# KiCad board LED_Matrix_Phone_Case.kicad_pcb (continued)
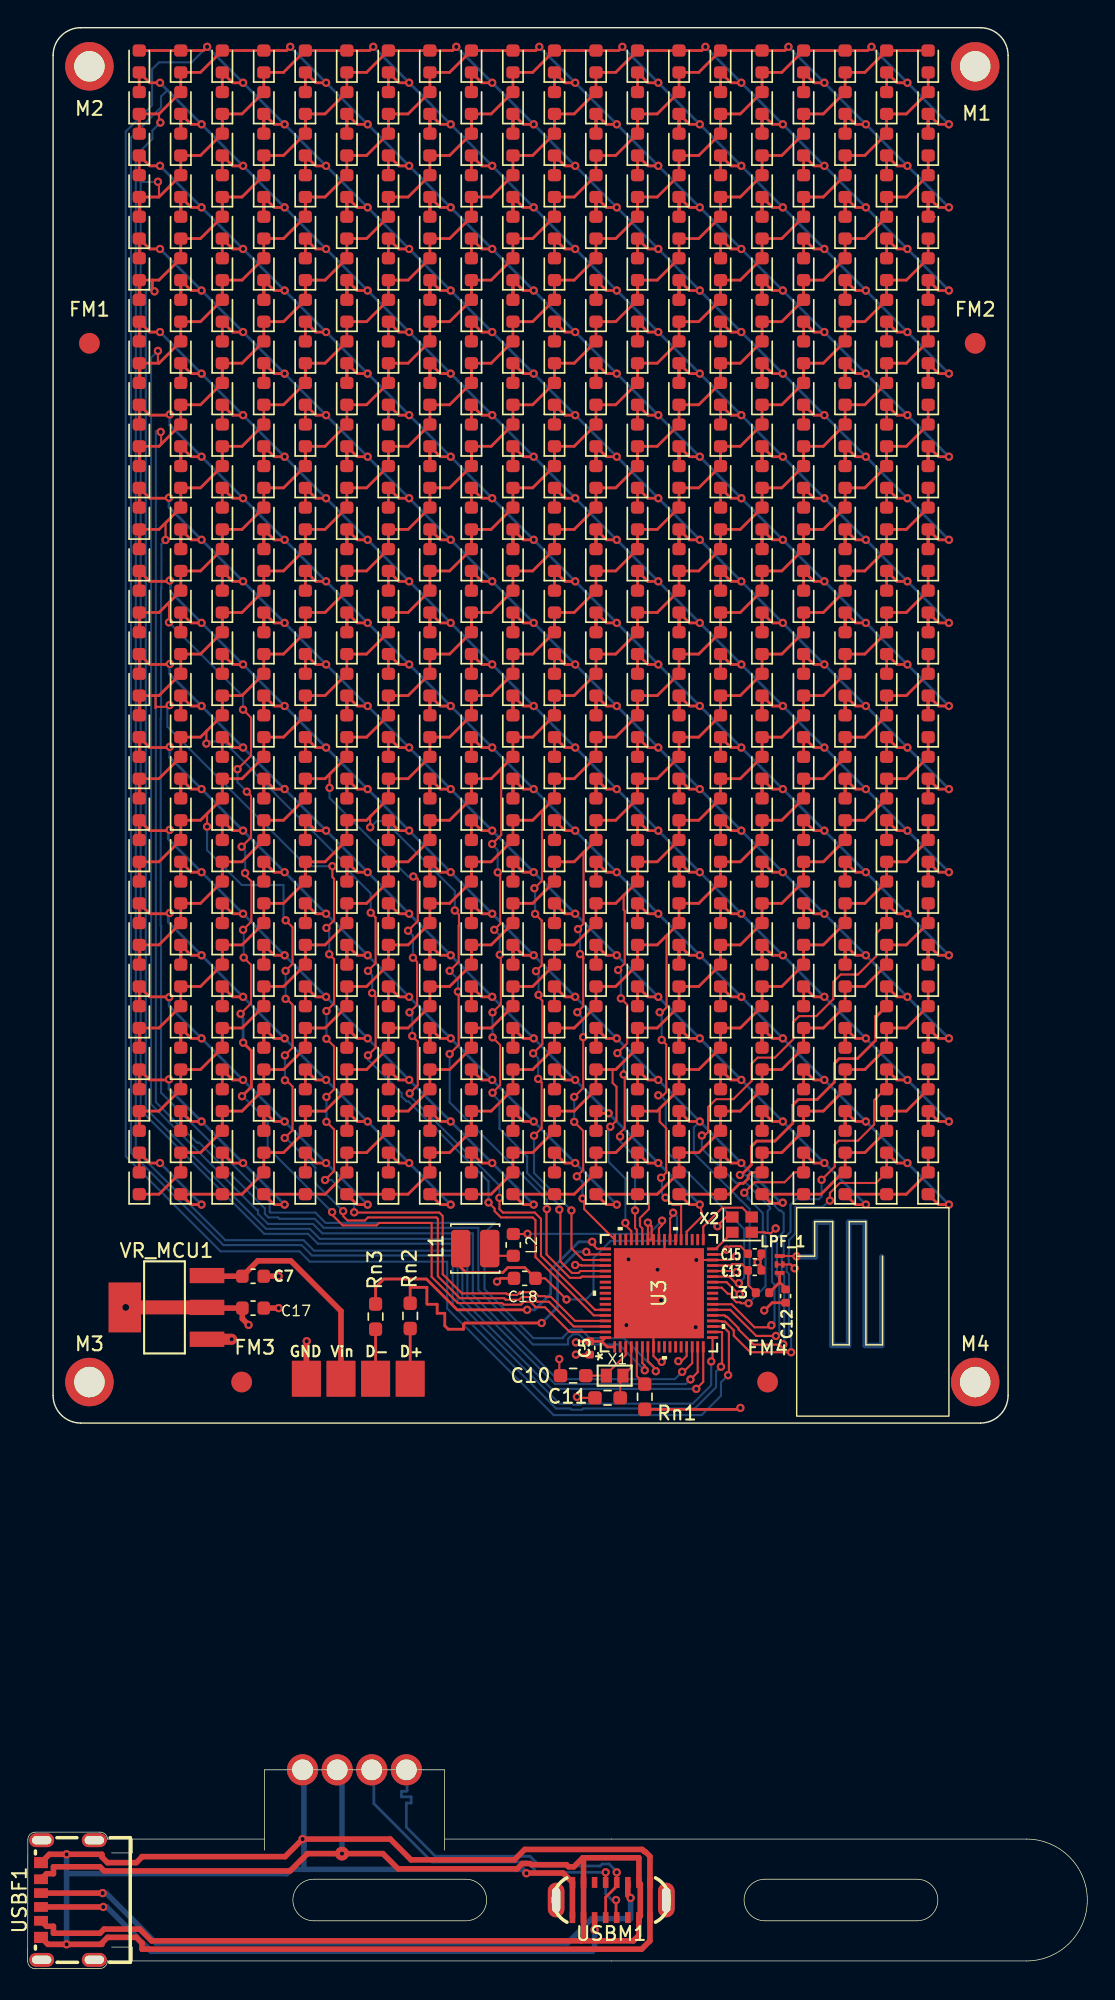
[diagram p0: board, top side]
## Nets (continued)
LED_24: REF**241.2 REF**242.1 REF**243.1 REF**284.2 REF**285.2 REF**286.1 REF**287.1 REF**328.2 REF**329.2 REF**330.1 REF**331.1 REF**372.2 REF**373.2 REF**374.1 REF**375.1 REF**416.2 REF**417.2 REF**418.1 REF**419.1 REF**460.2 REF**461.2 REF**462.1 REF**463.1 REF**504.2 REF**505.2 REF**506.1 REF**507.1 REF**517.1 REF**518.2 REF**520.1 REF**548.2 REF**549.2 REF**550.1 REF**551.1 REF**553.1 REF**554.2 REF**556.1 REF**#3.2 U3.28
LED_25: REF**317.1 REF**318.2 REF**320.1 REF**353.1 REF**354.2 REF**356.1 REF**359.2 REF**389.1 REF**390.2 REF**392.1 REF**395.2 REF**425.1 REF**426.2 REF**428.1 REF**431.2 REF**441.2 REF**442.1 REF**443.1 REF**461.1 REF**462.2 REF**464.1 REF**467.2 REF**484.2 REF**485.2 REF**486.1 REF**487.1 REF**497.1 REF**498.2 REF**500.1 REF**503.2 REF**528.2 REF**529.2 REF**530.1 REF**531.1 REF**533.1 REF**534.2 REF**536.1 REF**539.2 U3.29
LED_26: REF**321.2 REF**322.1 REF**323.1 REF**364.2 REF**365.2 REF**366.1 REF**367.1 REF**408.2 REF**409.2 REF**410.1 REF**411.1 REF**437.1 REF**438.2 REF**440.1 REF**452.2 REF**453.2 REF**454.1 REF**455.1 REF**473.1 REF**474.2 REF**476.1 REF**479.2 REF**496.2 REF**497.2 REF**498.1 REF**499.1 REF**509.1 REF**510.2 REF**512.1 REF**515.2 REF**540.2 REF**541.2 REF**542.1 REF**543.1 REF**545.1 REF**546.2 REF**548.1 REF**551.2 U3.46
LED_27: REF**277.1 REF**278.2 REF**280.1 REF**313.1 REF**314.2 REF**316.1 REF**319.2 REF**349.1 REF**350.2 REF**352.1 REF**355.2 REF**385.1 REF**386.2 REF**388.1 REF**391.2 REF**421.1 REF**422.2 REF**424.1 REF**427.2 REF**457.1 REF**458.2 REF**460.1 REF**463.2 REF**481.2 REF**482.1 REF**483.1 REF**493.1 REF**494.2 REF**496.1 REF**499.2 REF**524.2 REF**525.2 REF**526.1 REF**527.1 REF**529.1 REF**530.2 REF**532.1 REF**535.2 U3.47
LED_28: REF**357.1 REF**358.2 REF**360.1 REF**393.1 REF**394.2 REF**396.1 REF**399.2 REF**401.2 REF**402.1 REF**403.1 REF**429.1 REF**430.2 REF**432.1 REF**435.2 REF**444.2 REF**445.2 REF**446.1 REF**447.1 REF**465.1 REF**466.2 REF**468.1 REF**471.2 REF**488.2 REF**489.2 REF**490.1 REF**491.1 REF**501.1 REF**502.2 REF**504.1 REF**507.2 REF**532.2 REF**533.2 REF**534.1 REF**535.1 REF**537.1 REF**538.2 REF**540.1 REF**543.2 U3.48
SERIAL_D+: REF**.4 Rn2.1 Rn2.2 U3.53 USBM1.4 USBM1.12
SERIAL_D-: REF**.3 Rn3.1 Rn3.2 U3.52 USBM1.5 USBM1.13

Pads without a net: U3 2 9 10 11 12 13 25 26 36 37 40 49 50 58 59 60 61 62; USBF1 7; USBM1 6 14 17 18

## Via types
v1: diameter 0.6, hole 0.3, Top to Bottom, 451 vias
v2: diameter 1, hole 0.5, Top to Bottom, 1 via
v3: diameter 1, hole 0.3, Top to Bottom, 1 via

## Routing (per net, layer and track width the routed paths; a pad name or vN(x,y) marks a point on that pad's centre or on a via; arc(x,y) is an arc through that point)
/3.3V_PHONE: length 31.7
  Top w0.15: U3.55 40.01,50.77 39.97,50.81 v1(39.56,50.81) ; v1(47.01,43.87) 47.24,43.87 47.61,44.24 U3.14 ; v1(44.81,53.87) U3.45 U3.44 45.08,52.77 45.08,53.62 45.06,53.62 v1(44.81,53.87) ; v1(44.81,53.87) 44.86,53.92 ; U3.33 50.14,51.57 v1(50.5,51.93) 50.73,52.16 51.51,52.16 C15.2 ; v1(51.19,50.3) 50.94,50.3 50.86,50.37 U3.30
  Top w0.2: 41.47,45.3 41.87,44.9 42.41,44.9 ; 41.47,45.3 C5.1 39.69,45.3 v1(39.61,45.22) ; 41.47,45.3 41.74,45.57 ; 51.46,40.36 51.44,40.39 Rn1.1
  Top w0.4: v1(15.96,46.49) 15.51,46.94 C17.1 13.01,47.7 VR_MCU1.2
  Top w1: VR_MCU1.4 v2(7.09,47.75) VR_MCU1.2
  vias: v1(51.49,40.49)
GND: length 187.1
  Top w0.15: 45.96,43.82 45.63,43.82 45.21,44.24 U3.8 45.21,48.37 U3.69 ; v1(39.69,41.29) 39.76,41.22 C11.2 ; U3.69 46.01,49.17 U3.42 ; U3.69 48.01,51.17 U3.32 50.71,51.17 51.01,51.47 51.17,51.47 v1(51.19,51.45) ; v1(55.41,50.57) 55.14,50.85 LPF_1.4 LPF_1.2 ; C5.2 v1(39.61,44.34) 39.53,44.34 ; X2.2 53.26,53.17 53.31,53.12 53.71,53.12 v1(54.05,53.45) ; v1(38.41,44.02) 38.41,42.91 C10.2 ; 49.81,53.62 50.46,54.27 X2.4
  Top w0.2: C13.2 53.01,50.74 v1(52.74,51.01) 53.01,51.29 C15.1 ; C12.2 53.79,48.09 53.21,47.51 ; 20.16,42.62 20.14,42.6 ; C18.2 34.15,49.85 v1(33.91,49.61)
  Top w0.4: C7.2 v1(18.14,50) ; v1(20.16,45.31) 20.14,45.29 20.14,42.6 ; USBM1.1 USBM1.16 38.68,6.91 36.05,6.91 v1(36.03,6.89) ; USBF1.A12 1.56,8.26 5.36,8.26 5.36,8.07 5.77,7.66 7.85,7.66 8.26,8.07 8.26,8.09 18.6,8.09 19.87,9.36 26.2,9.36 27.7,7.86 35.16,7.86 35.91,8.61 44.41,8.61 44.56,8.46 44.61,8.46 44.96,8.11 USBM1.9 USBM1.8 44.96,2.01 44.36,1.41 8.26,1.41 8.26,1.85 7.85,2.26 5.77,2.26 5.36,1.85 5.36,1.76 v1(2.81,1.76) 1.46,1.76 USBF1.B12 ; 20.14,45.24 20.16,45.26 ; C17.2 v1(18.14,47.7)
  Top w0.8: VR_MCU1.1 v1(14.74,45.45)
  Bottom w0.4: 19.96,8.86 19.96,9.26 v1(19.86,9.36) ; 19.96,8.86 19.96,7.18 ; 19.96,8.86 19.96,13.66 19.86,13.66 ; 2.81,6.86 v1(2.81,8.26) ; 2.81,6.86 v1(2.81,1.76) ; 2.81,6.86 18.71,6.86 19.03,7.18 19.96,7.18 ; v1(36.03,6.89) 35.75,7.18 19.96,7.18
  vias: v1(43.26,46.47) v1(43.41,51.22) v1(45.51,50.47) v1(45.76,48.27) v1(45.81,43.82) v1(48.31,51.17) v1(48.26,46.32) v1(49.84,53.61) v1(53.22,47.53)
/ANTENNA: length 42.9
  Top w0.15: v1(55.55,51.43) 55.53,51.46 LPF_1.3
  Bottom w0.4: 55.61,51.4 56.91,51.4 56.91,53.9 58.11,53.9 58.11,45 59.31,45 59.31,53.9 60.51,53.9 60.51,45 61.71,45 61.71,51.4
/CC1: length 43.7
  Top w0.4: USBM1.3 40.96,2.82 v1(40.95,2.81) ; USBF1.A5 v1(5.46,4.46)
  Bottom w0.4: 40.96,2.86 40.96,1.41 40.81,1.26 8.91,1.26 5.71,4.46 v1(5.46,4.46)
/CC2: length 47.5
  Top w0.4: USBM1.11 43.36,5.31 v1(43.56,5.11) ; USBF1.B5 v1(5.41,5.46)
  Bottom w0.4: v1(5.41,5.46) 5.66,5.46 9.26,1.86 39.01,1.86 40.76,3.61 43.56,3.61 v1(43.56,5.11)
/HSE_IN: length 5.3
  Top w0.15: U3.35 48.81,53.58 50.19,54.95 51.64,54.95 X2.3
/HSE_OUT: length 1.9
  Top w0.15: U3.34 49.71,51.97 X2.1
/LSE_IN: length 4.1
  Top w0.15: C10.1 X1.2 41.81,42.92 43.21,44.32 U3.3
/LSE_OUT: length 4
  Top w0.15: U3.4 43.61,43.42 X1.1 42.81,42.62 C11.1
/Matching_Network: length 2.4
  Top w0.2: L3.2 54.33,49.56 ; 54.33,49.56 LPF_1.1 ; 54.33,49.56 54.76,49.13 C12.1
/RF1: length 4.6
  Top w0.15: U3.31 50.8,50.77 50.89,50.87 51.6,50.87 C13.1 52.05,49.37 L3.1
/SMPSFB: length 26.6
  Top w0.15: v1(46.64,54.59) 46.64,54.41 46.41,54.18 U3.41 ; 30.81,51.02 30.81,52 ; 36.69,49.85 37.39,49.85 38.09,49.15 38.11,49.15 v1(38.93,48.32)
  Top w0.2: 36.69,49.85 35.91,50.62 34.69,50.62 34.32,50.26 31.67,50.26 31.29,50.65 L1.2
  Bottom w0.15: v1(46.64,54.59) 46.91,54.31 46.91,52.55 42.09,52.55 42.09,52.52 40.89,51.32 40.89,48.87 40.33,48.32 v1(38.93,48.32)
/SMPSLX: length 12.8
  Top w0.15: U3.43 45.61,53.46 45.84,53.69 v1(45.84,54.01) ; L2.1 36.1,53.05 v1(36.11,53.06)
  Bottom w0.15: 45.61,54.01 v1(45.84,54.01) 44.89,53.06 v1(36.11,53.06)
/SMPSLXL: length 1.9
  Top w0.15: L1.1 33.91,51.47 L2.2
/USB_BOOT0: length 2.9
  Top w0.15: Rn1.2 44.01,42.79 U3.5
/USB_M_IN_5V: length 124
  Top w0.4: 40.11,8.01 39.46,7.36 39.08,7.36 38.93,7.51 36.41,7.51 36.32,7.59 35.74,7.59 35.36,7.21 26.76,7.21 25.66,8.31 v3(22.71,8.31) 20.21,8.31 18.96,7.06 5.52,7.06 5.22,7.36 1.86,7.36 1.86,6.86 1.36,6.86 USBF1.A9 ; 40.11,8.01 44.16,8.01 USBM1.10 44.26,6.13 44.26,3.79 USBM1.7 44.16,2.41 43.76,2.01 40.01,2.01 ; 40.11,8.01 40.16,7.96 USBM1.15 USBM1.2 40.16,2.16 40.01,2.01 ; USBF1.B9 1.36,3.06 1.86,3.06 1.86,2.56 5.22,2.56 5.52,2.86 8.1,2.86 8.95,2.01 40.01,2.01 ; VR_MCU1.3 13.01,50 C7.1 16.62,51.11 19.01,51.11 22.64,47.49 22.64,42.6
  Bottom w0.4: v3(22.71,8.31) 22.71,13.66 22.36,13.66
LED_0: length 247.5
  Top w0.15: U3.15 48.01,43.72 47.39,43.1 ; 9.49,115.92 9.41,116 v1(9.41,116.81)
  Top w0.2: REF**127.2 12.49,118.92 REF**124.1 REF**122.2 9.49,115.92 REF**121.1 REF**163.2 8.06,115.96 ; REF**127.2 14.06,121.96 ; REF**127.2 REF**85.1 15.49,121.92 REF**86.2 REF**88.1 18.49,124.92 REF**91.2 ; v1(42.56,133.17) 41.81,133.17 REF**22.1 REF**64.2 ; REF**91.2 20.06,127.96 ; REF**91.2 REF**49.1 21.49,127.92 REF**50.2 REF**52.1 24.49,130.92 REF**55.2 ; v1(36.97,138.77) 36.7,138.5 REF**20.2 REF**19.2 30.49,136.92 REF**16.1 REF**14.2 27.49,133.92 REF**13.1 REF**55.2 ; REF**109.2 REF**111.1 50.81,124.17 v1(51.56,124.17) ; REF**153.2 REF**155.1 56.81,118.17 v1(57.56,118.17) ; REF**108.2 47.06,127.96 REF**108.2 ; REF**108.2 REF**66.1 47.81,127.17 v1(48.56,127.17) ; REF**197.2 REF**199.1 62.81,112.17 v1(63.56,112.17) ; v1(54.56,121.17) 53.81,121.17 REF**110.1 REF**152.2 ; REF**152.2 53.06,121.96 REF**152.2 ; REF**21.2 REF**23.1 38.81,136.17 v1(39.56,136.17) ; REF**64.2 41.06,133.96 REF**64.2 ; REF**196.2 REF**154.1 59.81,115.17 v1(60.56,115.17) ; REF**196.2 59.06,115.96 REF**196.2 ; v1(66.56,109.17) 65.81,109.17 REF**198.1 REF**240.2 ; REF**240.2 65.06,109.96 REF**240.2 ; REF**55.2 26.06,133.96 ; REF**65.2 REF**67.1 44.81,130.17 v1(45.56,130.17)
  Bottom w0.15: v1(9.41,116.81) 8.91,116.31 8.91,90.31 8.91,90.31 8.91,62.42 16.54,54.8 16.64,54.8 16.64,54.51 17.37,53.78 20.61,53.78 21.29,53.1 32.16,53.1 32.16,48.66 38.25,42.57 46.76,42.57 v1(47.29,43.1)
  Bottom w0.2: v1(36.97,138.77) v1(39.56,136.17) v1(42.56,133.17) v1(45.56,130.17) v1(48.56,127.17) v1(51.56,124.17) v1(54.56,121.17) v1(57.56,118.17) v1(60.56,115.17) v1(63.56,112.17) v1(66.56,109.17)
LED_1: length 260
  Top w0.15: v1(47.89,42.55) 48.41,43.07 U3.16
  Top w0.2: REF**60.2 35.06,133.96 REF**60.2 ; REF**60.2 REF**18.1 35.81,133.17 v1(36.56,133.17) ; REF**51.2 REF**9.1 21.49,133.92 REF**10.2 REF**12.1 24.49,136.92 REF**15.2 REF**16.2 30.7,138.5 v1(30.97,138.77) ; REF**51.2 18.49,130.92 REF**48.1 REF**46.2 15.49,127.92 REF**45.1 REF**87.2 ; REF**51.2 20.06,133.96 ; v1(54.56,115.17) 53.81,115.17 REF**150.1 REF**192.2 ; REF**192.2 53.06,115.96 REF**192.2 ; v1(33.56,136.17) 32.81,136.17 REF**19.1 REF**17.2 ; REF**148.2 47.06,121.96 REF**148.2 ; REF**148.2 REF**106.1 47.81,121.17 v1(48.56,121.17) ; REF**236.2 59.06,109.96 REF**236.2 ; REF**236.2 REF**194.1 59.81,109.17 v1(60.56,109.17) ; v1(9.16,121.11) 9.01,121.26 9.01,121.92 ; v1(66.56,103.17) 65.81,103.17 REF**238.1 REF**280.2 ; REF**237.2 REF**239.1 62.81,106.17 v1(63.56,106.17) ; REF**61.2 REF**63.1 38.81,130.17 v1(39.56,130.17) ; REF**280.2 65.06,103.96 REF**280.2 ; REF**280.2 65.07,102.51 ; REF**193.2 REF**195.1 56.81,112.17 v1(57.56,112.17) ; 9.01,121.92 9.49,121.92 REF**82.2 REF**84.1 12.49,124.92 REF**87.2 ; 9.01,121.92 REF**81.1 REF**123.2 8.06,121.96 ; REF**104.2 41.06,127.96 REF**104.2 ; REF**104.2 REF**62.1 41.81,127.17 v1(42.56,127.17) ; REF**105.2 REF**107.1 44.81,124.17 v1(45.56,124.17) ; v1(51.56,118.17) 50.81,118.17 REF**151.1 REF**149.2 ; REF**87.2 14.06,127.96
  Bottom w0.15: 8.54,121.21 8.54,62.11 17.22,53.42 20.39,53.42 21.11,52.7 31.76,52.7 31.76,48.56 38.1,42.22 47.55,42.22 v1(47.89,42.55)
  Bottom w0.2: v1(66.56,103.17) v1(63.56,106.17) v1(60.56,109.17) v1(57.56,112.17) v1(54.56,115.17) v1(51.56,118.17) v1(48.56,121.17) v1(45.56,124.17) v1(42.56,127.17) v1(39.56,130.17) v1(36.56,133.17) v1(33.56,136.17) v1(30.97,138.77) ; v1(9.16,121.11) 9.06,121.21 8.54,121.21
LED_2: length 276.4
  Top w0.15: 9.49,127.92 9.49,128.95 v1(9.41,129.02) ; U3.17 48.81,42.37 v1(48.31,41.87)
  Top w0.2: v1(45.56,118.17) 44.81,118.17 REF**147.1 REF**145.2 ; REF**100.2 35.06,127.96 REF**100.2 ; REF**100.2 REF**58.1 35.81,127.17 v1(36.56,127.17) ; REF**57.2 REF**59.1 32.81,130.17 v1(33.56,130.17) ; REF**101.2 REF**103.1 38.81,124.17 v1(39.56,124.17) ; REF**188.2 REF**146.1 47.81,115.17 v1(48.56,115.17) ; REF**188.2 47.06,115.96 REF**188.2 ; REF**276.2 59.06,103.96 REF**276.2 ; REF**276.2 REF**234.1 59.81,103.17 v1(60.56,103.17) ; v1(57.56,106.17) 56.81,106.17 REF**235.1 REF**233.2 ; v1(42.56,121.17) 41.81,121.17 REF**102.1 REF**144.2 ; REF**47.2 REF**5.1 15.49,133.92 REF**6.2 REF**8.1 18.49,136.92 REF**11.2 REF**12.2 24.7,138.5 v1(24.97,138.77) ; REF**47.2 12.49,130.92 REF**44.1 REF**42.2 9.49,127.92 REF**41.1 REF**83.2 8.06,127.96 ; REF**47.2 14.06,133.96 ; REF**144.2 41.06,121.96 REF**144.2 ; REF**232.2 REF**190.1 53.81,109.17 v1(54.56,109.17) ; REF**232.2 53.06,109.96 REF**232.2 ; v1(63.56,100.17) 62.81,100.17 REF**279.1 REF**277.2 ; REF**189.2 REF**191.1 50.81,112.17 v1(51.56,112.17) ; REF**56.2 29.06,133.96 REF**56.2 ; REF**56.2 REF**14.1 29.81,133.17 v1(30.56,133.17) ; v1(27.56,136.17) 26.81,136.17 REF**15.1 REF**13.2 ; REF**320.2 65.06,97.96 REF**320.2 ; REF**320.2 REF**278.1 65.81,97.17 v1(66.56,97.17)
  Bottom w0.15: 9.44,129.05 v1(9.41,129.02) 9.4,129.01 8.16,129.01 8.16,61.99 17.09,53.06 20.25,53.06 20.97,52.35 31.41,52.35 31.41,48.31 37.85,41.87 v1(48.31,41.87)
  Bottom w0.2: v1(24.97,138.77) v1(27.56,136.17) v1(30.56,133.17) v1(33.56,130.17) v1(36.56,127.17) v1(39.56,124.17) v1(42.56,121.17) v1(45.56,118.17) v1(48.56,115.17) v1(51.56,112.17) v1(54.56,109.17) v1(57.56,106.17) v1(60.56,103.17) v1(63.56,100.17) v1(66.56,97.17)
LED_3: length 290.2
  Top w0.15: v1(9.59,133.3) 9.49,133.4 9.49,133.92 ; U3.18 49.48,43.95 v1(49.39,43.85)
  Top w0.2: REF**228.2 47.06,109.96 REF**228.2 ; REF**228.2 REF**186.1 47.81,109.17 v1(48.56,109.17) ; v1(24.56,133.17) 23.81,133.17 REF**10.1 REF**52.2 ; v1(42.56,115.17) 41.81,115.17 REF**142.1 REF**184.2 ; REF**52.2 23.06,133.96 REF**52.2 ; REF**184.2 41.06,115.96 REF**184.2 ; REF**272.2 53.06,103.96 REF**272.2 ; REF**272.2 REF**230.1 53.81,103.17 v1(54.56,103.17) ; REF**96.2 29.06,127.96 REF**96.2 ; REF**96.2 REF**54.1 29.81,127.17 v1(30.56,127.17) ; v1(39.56,118.17) 38.81,118.17 REF**143.1 REF**141.2 ; v1(63.56,94.17) 62.81,94.17 REF**319.1 REF**317.2 ; v1(21.56,136.17) 20.81,136.17 REF**11.1 REF**9.2 ; REF**316.2 REF**274.1 59.81,97.17 v1(60.56,97.17) ; REF**316.2 59.06,97.96 REF**316.2 ; v1(45.56,112.17) 44.81,112.17 REF**187.1 REF**185.2 ; v1(27.56,130.17) 26.81,130.17 REF**55.1 REF**53.2 ; REF**140.2 35.06,121.96 REF**140.2 ; REF**140.2 REF**98.1 35.81,121.17 v1(36.56,121.17) ; REF**97.2 REF**99.1 32.81,124.17 v1(33.56,124.17) ; REF**360.2 REF**318.1 65.81,91.17 v1(66.56,91.17) ; REF**360.2 65.06,91.96 REF**360.2 ; REF**273.2 REF**275.1 56.81,100.17 v1(57.56,100.17) ; v1(18.97,138.77) 18.7,138.5 REF**8.2 REF**7.2 12.49,136.92 REF**4.1 REF**2.2 9.49,133.92 REF**1.1 REF**43.2 8.06,133.96 ; v1(51.56,106.17) 50.81,106.17 REF**231.1 REF**229.2
  Bottom w0.15: v1(9.59,133.3) 9.01,132.72 9.01,132.11 7.81,130.91 7.81,59.08 14.29,52.6 19.94,52.6 20.69,51.85 31.06,51.85 31.06,48.16 38.42,40.8 39.22,40.8 39.29,40.87 39.45,40.72 39.92,40.72 40,40.8 48.05,40.8 49.39,42.13 v1(49.39,43.85)
  Bottom w0.2: v1(66.56,91.17) v1(63.56,94.17) v1(60.56,97.17) v1(57.56,100.17) v1(54.56,103.17) v1(51.56,106.17) v1(48.56,109.17) v1(45.56,112.17) v1(42.56,115.17) v1(39.56,118.17) v1(36.56,121.17) v1(33.56,124.17) v1(30.56,127.17) v1(27.56,130.17) v1(24.56,133.17) v1(21.56,136.17) v1(18.97,138.77)
LED_4: length 310.1
  Top w0.15: v1(50.09,43.47) 50.17,43.54 50.17,45.95 50.14,45.97 U3.19
  Top w0.2: REF**133.2 REF**135.1 26.81,118.17 v1(27.56,118.17) ; v1(18.56,127.17) 17.81,127.17 REF**46.1 REF**88.2 ; REF**440.2 REF**398.1 65.81,79.17 v1(66.56,79.17) ; REF**440.2 65.06,79.96 REF**440.2 ; v1(57.56,88.17) 56.81,88.17 REF**355.1 REF**353.2 ; v1(63.56,82.17) 62.81,82.17 REF**399.1 REF**397.2 ; REF**396.2 59.06,85.96 REF**396.2 ; REF**396.2 REF**354.1 59.81,85.17 v1(60.56,85.17) ; REF**44.2 11.06,133.96 REF**44.2 ; REF**44.2 REF**2.1 11.81,133.17 v1(12.56,133.17) ; REF**308.2 47.06,97.96 REF**308.2 ; REF**308.2 REF**266.1 47.81,97.17 v1(48.56,97.17) ; REF**89.2 REF**91.1 20.81,124.17 v1(21.56,124.17) ; REF**352.2 53.06,91.96 REF**352.2 ; REF**352.2 REF**310.1 53.81,91.17 v1(54.56,91.17) ; REF**221.2 REF**223.1 38.81,106.17 v1(39.56,106.17) ; REF**309.2 REF**311.1 50.81,94.17 v1(51.56,94.17) ; REF**264.2 41.06,103.96 REF**264.2 ; REF**264.2 REF**222.1 41.81,103.17 v1(42.56,103.17) ; REF**88.2 17.06,127.96 REF**88.2 ; REF**220.2 REF**178.1 35.81,109.17 v1(36.56,109.17) ; REF**220.2 35.06,109.96 REF**220.2 ; REF**265.2 REF**267.1 44.81,100.17 v1(45.56,100.17) ; REF**176.2 29.06,115.96 REF**176.2 ; REF**176.2 REF**134.1 29.81,115.17 v1(30.56,115.17) ; REF**132.2 REF**90.1 23.81,121.17 v1(24.56,121.17) ; REF**132.2 23.06,121.96 REF**132.2 ; REF**177.2 REF**179.1 32.81,112.17 v1(33.56,112.17) ; v1(9.56,136.17) 8.81,136.17 REF**3.1 REF**1.2 ; REF**45.2 REF**47.1 14.81,130.17 v1(15.56,130.17)
  Bottom w0.15: 10.09,135.64 9.64,135.19 9.64,134.4 7.46,132.22 7.46,58.93 14.14,52.25 19.79,52.25 20.54,51.5 30.71,51.5 30.71,47.91 38.17,40.45 39.22,40.45 39.3,40.37 40.07,40.37 40.15,40.45 48.2,40.45 49.74,41.99 49.74,43.11 v1(50.09,43.47) ; 9.64,136.1 v1(9.56,136.17)
  Bottom w0.2: v1(9.56,136.17) v1(12.56,133.17) v1(15.56,130.17) v1(18.56,127.17) v1(21.56,124.17) v1(24.56,121.17) v1(27.56,118.17) v1(30.56,115.17) v1(33.56,112.17) v1(36.56,109.17) v1(39.56,106.17) v1(42.56,103.17) v1(45.56,100.17) v1(48.56,97.17) v1(51.56,94.17) v1(54.56,91.17) v1(57.56,88.17) v1(60.56,85.17) v1(63.56,82.17) v1(66.56,79.17)
LED_5: length 308.8
  Top w0.15: v1(50.61,42.86) 50.66,42.91 50.66,45.95 50.24,46.37 U3.20
  Top w0.2: v1(54.56,97.17) 53.81,97.17 REF**270.1 REF**312.2 ; REF**269.2 REF**271.1 50.81,100.17 v1(51.56,100.17) ; REF**180.2 35.06,115.96 REF**180.2 ; REF**180.2 REF**138.1 35.81,115.17 v1(36.56,115.17) ; REF**400.2 REF**358.1 65.81,85.17 v1(66.56,85.17) ; REF**400.2 65.06,85.96 REF**400.2 ; REF**136.2 29.06,121.96 REF**136.2 ; REF**136.2 REF**94.1 29.81,121.17 v1(30.56,121.17) ; REF**48.2 17.06,133.96 REF**48.2 ; REF**48.2 REF**6.1 17.81,133.17 v1(18.56,133.17) ; REF**93.2 REF**95.1 26.81,124.17 v1(27.56,124.17) ; REF**224.2 41.06,109.96 REF**224.2 ; REF**224.2 REF**182.1 41.81,109.17 v1(42.56,109.17) ; v1(48.56,103.17) 47.81,103.17 REF**226.1 REF**268.2 ; v1(33.56,118.17) 32.81,118.17 REF**139.1 REF**137.2 ; REF**92.2 REF**50.1 23.81,127.17 v1(24.56,127.17) ; REF**92.2 23.06,127.96 REF**92.2 ; v1(39.56,112.17) 38.81,112.17 REF**183.1 REF**181.2 ; v1(45.56,106.17) 44.81,106.17 REF**227.1 REF**225.2 ; REF**49.2 REF**51.1 20.81,130.17 v1(21.56,130.17) ; REF**312.2 53.06,97.96 REF**312.2 ; v1(12.97,138.77) 12.7,138.5 REF**4.2 REF**3.2 ; v1(60.56,91.17) 59.81,91.17 REF**314.1 REF**356.2 ; REF**357.2 REF**359.1 62.81,88.17 v1(63.56,88.17) ; REF**268.2 47.06,103.96 REF**268.2 ; REF**356.2 59.06,91.96 REF**356.2 ; v1(57.56,94.17) 56.81,94.17 REF**315.1 REF**313.2 ; v1(15.56,136.17) 14.81,136.17 REF**7.1 REF**5.2
  Bottom w0.15: v1(50.61,42.86) 50.09,42.34 50.09,41.36 48.7,39.97 38,39.97 30.31,47.66 30.31,51.05 20.39,51.05 19.64,51.8 13.94,51.8 7.09,58.65 7.09,132.65 8.99,134.55 8.99,137.15 9.49,137.65 11.85,137.65 v1(12.97,138.77)
  Bottom w0.2: v1(12.97,138.77) v1(15.56,136.17) v1(18.56,133.17) v1(21.56,130.17) v1(24.56,127.17) v1(27.56,124.17) v1(30.56,121.17) v1(33.56,118.17) v1(36.56,115.17) v1(39.56,112.17) v1(42.56,109.17) v1(45.56,106.17) v1(48.56,103.17) v1(51.56,100.17) v1(54.56,97.17) v1(57.56,94.17) v1(60.56,91.17) v1(63.56,88.17) v1(66.56,85.17)
LED_6: length 196.3
  Top w0.15: v1(55.16,44.51) 52.21,44.51 51.02,45.71 51.02,46.1 50.39,46.72 50.17,46.72 50.17,46.75 49.97,46.75 49.95,46.77 U3.21 ; REF**#5.2 61.3,56.74 58.69,56.74 57.96,56.01 v1(57.96,55.46)
  Top w0.2: REF**512.2 REF**470.1 53.81,67.17 v1(54.56,67.17) ; REF**512.2 53.06,67.96 REF**512.2 ; v1(57.56,64.17) 56.81,64.17 REF**515.1 REF**513.2 ; v1(39.56,82.17) 38.81,82.17 REF**383.1 REF**381.2 ; REF**424.2 41.06,79.96 REF**424.2 ; REF**424.2 REF**382.1 41.81,79.17 v1(42.56,79.17) ; REF**292.2 REF**250.1 23.81,97.17 v1(24.56,97.17) ; REF**292.2 23.06,97.96 REF**292.2 ; v1(36.56,85.17) 35.81,85.17 REF**338.1 REF**380.2 ; REF**204.2 11.06,109.96 REF**204.2 ; REF**204.2 REF**162.1 11.81,109.17 v1(12.56,109.17) ; v1(66.56,55.17) 65.81,55.17 REF**#4.1 ; REF**336.2 29.06,91.96 REF**336.2 ; REF**336.2 REF**294.1 29.81,91.17 v1(30.56,91.17) ; REF**556.2 59.06,61.96 REF**556.2 ; REF**556.2 REF**514.1 59.81,61.17 v1(60.56,61.17) ; v1(15.56,106.17) 14.81,106.17 REF**207.1 REF**205.2 ; REF**337.2 REF**339.1 32.81,88.17 v1(33.56,88.17) ; REF**248.2 17.06,103.96 REF**248.2 ; REF**248.2 REF**206.1 17.81,103.17 v1(18.56,103.17) ; REF**380.2 35.06,85.96 REF**380.2 ; v1(48.56,73.17) 47.81,73.17 REF**426.1 REF**468.2 ; REF**#5.2 REF**#3.1 62.81,58.17 v1(63.56,58.17) ; REF**468.2 47.06,73.96 REF**468.2 ; v1(45.56,76.17) 44.81,76.17 REF**427.1 REF**425.2 ; v1(27.56,94.17) 26.81,94.17 REF**295.1 REF**293.2 ; 10.22,112.17 8.81,112.17 REF**163.1 REF**161.2 ; v1(51.56,70.17) 50.81,70.17 REF**471.1 REF**469.2 ; REF**249.2 REF**251.1 20.81,100.17 v1(21.56,100.17)
  Bottom w0.15: v1(55.16,44.51) 55.16,45.62 55.01,45.77 55.01,50.16 54.84,50.34 54.84,50.81 55.01,50.99 55.01,51.16 54.98,51.19 54.98,51.67 55.01,51.71 55.01,52.61 55.46,53.06 55.46,55.01 57.46,55.01 57.91,55.46
  Bottom w0.2: v1(66.56,55.17) v1(63.56,58.17) v1(60.56,61.17) v1(57.56,64.17) v1(54.56,67.17) v1(51.56,70.17) v1(48.56,73.17) v1(45.56,76.17) v1(42.56,79.17) v1(39.56,82.17) v1(36.56,85.17) v1(33.56,88.17) v1(30.56,91.17) v1(27.56,94.17) v1(24.56,97.17) v1(21.56,100.17) v1(18.56,103.17) v1(15.56,106.17) v1(12.56,109.17) 10.27,111.47 v1(10.27,112.22)
LED_7: length 204.1
  Top w0.15: v1(57.36,56.96) 58.31,57.91 58.31,59.5 58.59,59.79 59.99,59.79 61.16,60.96 61.16,62.71 61.95,63.5 REF**517.2 ; U3.22 50.35,47.17 50.45,47.08 50.53,47.08 51.37,46.24 51.37,46.16 52.46,45.06 54.56,45.06 v1(54.59,45.09)
  Top w0.2: REF**208.2 17.06,109.96 REF**208.2 ; REF**208.2 REF**166.1 17.81,109.17 v1(18.56,109.17) ; v1(9.56,118.17) 8.81,118.17 REF**123.1 REF**121.2 ; REF**384.2 REF**342.1 41.81,85.17 v1(42.56,85.17) ; REF**384.2 41.06,85.96 REF**384.2 ; REF**516.2 59.06,67.96 REF**516.2 ; REF**516.2 REF**474.1 59.81,67.17 v1(60.56,67.17) ; REF**472.2 53.06,73.96 REF**472.2 ; REF**472.2 REF**430.1 53.81,73.17 v1(54.56,73.17) ; REF**164.2 11.06,115.96 REF**164.2 ; REF**164.2 REF**122.1 11.81,115.17 v1(12.56,115.17) ; v1(48.56,79.17) 47.81,79.17 REF**386.1 REF**428.2 ; REF**340.2 REF**298.1 35.81,91.17 v1(36.56,91.17) ; REF**340.2 35.06,91.96 REF**340.2 ; v1(24.56,103.17) 23.81,103.17 REF**210.1 REF**252.2 ; v1(27.56,100.17) 26.81,100.17 REF**255.1 REF**253.2 ; REF**#2.2 65.06,61.96 REF**#2.2 ; REF**#2.2 REF**518.1 65.81,61.17 v1(66.56,61.17) ; REF**296.2 REF**254.1 29.81,97.17 v1(30.56,97.17) ; REF**296.2 29.06,97.96 REF**296.2 ; REF**341.2 REF**343.1 38.81,88.17 v1(39.56,88.17) ; REF**428.2 47.06,79.96 REF**428.2 ; REF**429.2 REF**431.1 50.81,76.17 v1(51.56,76.17) ; REF**473.2 REF**475.1 56.81,70.17 v1(57.56,70.17) ; v1(45.56,82.17) 44.81,82.17 REF**387.1 REF**385.2 ; REF**252.2 23.06,103.96 REF**252.2 ; REF**209.2 REF**211.1 20.81,106.17 v1(21.56,106.17) ; REF**517.2 REF**519.1 62.81,64.17 v1(63.56,64.17) ; v1(15.56,112.17) 14.81,112.17 REF**167.1 REF**165.2 ; REF**297.2 REF**299.1 32.81,94.17 v1(33.56,94.17)
  Bottom w0.15: v1(57.36,56.96) 57.36,55.76 57.16,55.56 55.51,55.56 55.11,55.16 55.11,53.21 54.62,52.72 54.62,51.51 54.48,51.37 54.48,50.19 54.66,50.01 54.66,45.16 v1(54.59,45.09)
  Bottom w0.2: v1(66.56,61.17) v1(63.56,64.17) v1(60.56,67.17) v1(57.56,70.17) v1(54.56,73.17) v1(51.56,76.17) v1(48.56,79.17) v1(45.56,82.17) v1(42.56,85.17) v1(39.56,88.17) v1(36.56,91.17) v1(33.56,94.17) v1(30.56,97.17) v1(27.56,100.17) v1(24.56,103.17) v1(21.56,106.17) v1(18.56,109.17) v1(15.56,112.17) v1(12.56,115.17) v1(9.56,118.17)
LED_8: length 212.6
  Top w0.15: U3.23 50.76,47.57 52.64,45.69 v1(54.06,45.69)
  Top w0.2: REF**300.2 35.06,97.96 REF**300.2 ; REF**300.2 REF**258.1 35.81,97.17 v1(36.56,97.17) ; v1(21.56,112.17) 20.81,112.17 REF**171.1 REF**169.2 ; REF**432.2 53.06,79.96 REF**432.2 ; REF**432.2 REF**390.1 53.81,79.17 v1(54.56,79.17) ; REF**81.2 REF**83.1 8.81,124.17 v1(9.56,124.17) ; v1(63.56,70.17) 62.81,70.17 REF**479.1 REF**477.2 61.32,68.76 61.26,68.76 61.26,67.02 59.95,65.71 58.63,65.71 58.29,65.36 58.29,64.01 57.03,62.76 55.68,62.76 55.29,62.36 55.29,61.05 54,59.76 52.68,59.76 52.29,59.36 52.29,58.05 51.55,57.31 v1(51.46,57.31) ; v1(42.56,91.17) 41.81,91.17 REF**302.1 REF**344.2 ; v1(18.56,115.17) 17.81,115.17 REF**126.1 REF**168.2 ; v1(15.56,118.17) 14.81,118.17 REF**127.1 REF**125.2 ; REF**345.2 REF**347.1 44.81,88.17 v1(45.56,88.17) ; REF**520.2 65.06,67.96 REF**520.2 ; REF**520.2 REF**478.1 65.81,67.17 v1(66.56,67.17) ; REF**168.2 17.06,115.96 REF**168.2 ; v1(51.56,82.17) 50.81,82.17 REF**391.1 REF**389.2 ; v1(39.56,94.17) 38.81,94.17 REF**303.1 REF**301.2 ; REF**256.2 29.06,103.96 REF**256.2 ; REF**256.2 REF**214.1 29.81,103.17 v1(30.56,103.17) ; REF**344.2 41.06,91.96 REF**344.2 ; REF**388.2 47.06,85.96 REF**388.2 ; REF**388.2 REF**346.1 47.81,85.17 v1(48.56,85.17) ; REF**124.2 REF**82.1 11.81,121.17 v1(12.56,121.17) ; REF**124.2 11.06,121.96 REF**124.2 ; v1(57.56,76.17) 56.81,76.17 REF**435.1 REF**433.2 ; REF**213.2 REF**215.1 26.81,106.17 v1(27.56,106.17) ; v1(24.56,109.17) 23.81,109.17 REF**170.1 REF**212.2 ; v1(33.56,100.17) 32.81,100.17 REF**259.1 REF**257.2 ; REF**476.2 59.06,73.96 REF**476.2 ; REF**476.2 REF**434.1 59.81,73.17 v1(60.56,73.17) ; REF**212.2 23.06,109.96 REF**212.2
  Bottom w0.15: 9.41,124.17 v1(9.56,124.17) ; v1(54.06,45.69) 54.31,45.94 54.31,49.87 54.13,50.04 54.13,52.72 54.27,52.87 54.27,52.87 54.62,53.21 54.62,54.55 54.44,54.74 54.32,54.74 53.98,55.07 53.98,55.13 53.89,55.23 53.89,55.29 51.86,57.31 51.51,57.31
  Bottom w0.2: v1(9.56,124.17) v1(12.56,121.17) v1(15.56,118.17) v1(18.56,115.17) v1(21.56,112.17) v1(24.56,109.17) v1(27.56,106.17) v1(30.56,103.17) v1(33.56,100.17) v1(36.56,97.17) v1(39.56,94.17) v1(42.56,91.17) v1(45.56,88.17) v1(48.56,85.17) v1(51.56,82.17) v1(54.56,79.17) v1(57.56,76.17) v1(60.56,73.17) v1(63.56,70.17) v1(66.56,67.17)
LED_9: length 220.1
  Top w0.15: U3.24 50.86,47.97 52.52,46.31 53.51,46.31 53.66,46.46 v1(53.73,46.46) ; REF**437.2 61.31,74.75 61.31,73.11 59.99,71.79 58.74,71.79 58.21,71.25 58.21,70.01 56.99,68.79 55.74,68.79 55.31,68.35 55.31,67.11 53.99,65.79 52.74,65.79 52.31,65.35 52.31,64.11 50.99,62.79 49.74,62.79 49.16,62.2 49.16,60.41 48.91,60.16 v1(48.71,60.16)
  Top w0.2: REF**84.2 11.06,127.96 REF**84.2 ; REF**84.2 REF**42.1 11.81,127.17 v1(12.56,127.17) ; v1(45.56,94.17) 44.81,94.17 REF**307.1 REF**305.2 ; REF**41.2 REF**43.1 8.81,130.17 v1(9.56,130.17) ; REF**436.2 REF**394.1 59.81,79.17 v1(60.56,79.17) ; REF**436.2 59.06,79.96 REF**436.2 ; REF**304.2 REF**262.1 41.81,97.17 v1(42.56,97.17) ; REF**304.2 41.06,97.96 REF**304.2 ; REF**128.2 17.06,121.96 REF**128.2 ; REF**128.2 REF**86.1 17.81,121.17 v1(18.56,121.17) ; REF**437.2 REF**439.1 62.81,76.17 v1(63.56,76.17) ; REF**349.2 REF**351.1 50.81,88.17 v1(51.56,88.17) ; REF**216.2 29.06,109.96 REF**216.2 ; REF**216.2 REF**174.1 29.81,109.17 v1(30.56,109.17) ; v1(21.56,118.17) 20.81,118.17 REF**131.1 REF**129.2 ; REF**348.2 REF**306.1 47.81,91.17 v1(48.56,91.17) ; REF**348.2 47.06,91.96 REF**348.2 ; v1(33.56,106.17) 32.81,106.17 REF**219.1 REF**217.2 ; v1(66.56,73.17) 65.81,73.17 REF**438.1 REF**480.2 ; REF**480.2 65.06,73.96 REF**480.2 ; REF**393.2 REF**395.1 56.81,82.17 v1(57.56,82.17) ; REF**260.2 35.06,103.96 REF**260.2 ; REF**260.2 REF**218.1 35.81,103.17 v1(36.56,103.17) ; v1(24.56,115.17) 23.81,115.17 REF**130.1 REF**172.2 ; v1(15.56,124.17) 14.81,124.17 REF**87.1 REF**85.2 ; v1(27.56,112.17) 26.81,112.17 REF**175.1 REF**173.2 ; REF**392.2 53.06,85.96 REF**392.2 ; REF**392.2 REF**350.1 53.81,85.17 v1(54.56,85.17) ; REF**172.2 23.06,115.96 REF**172.2 ; v1(39.56,100.17) 38.81,100.17 REF**263.1 REF**261.2